# KiCad board pandore.kicad_pcb (continued)
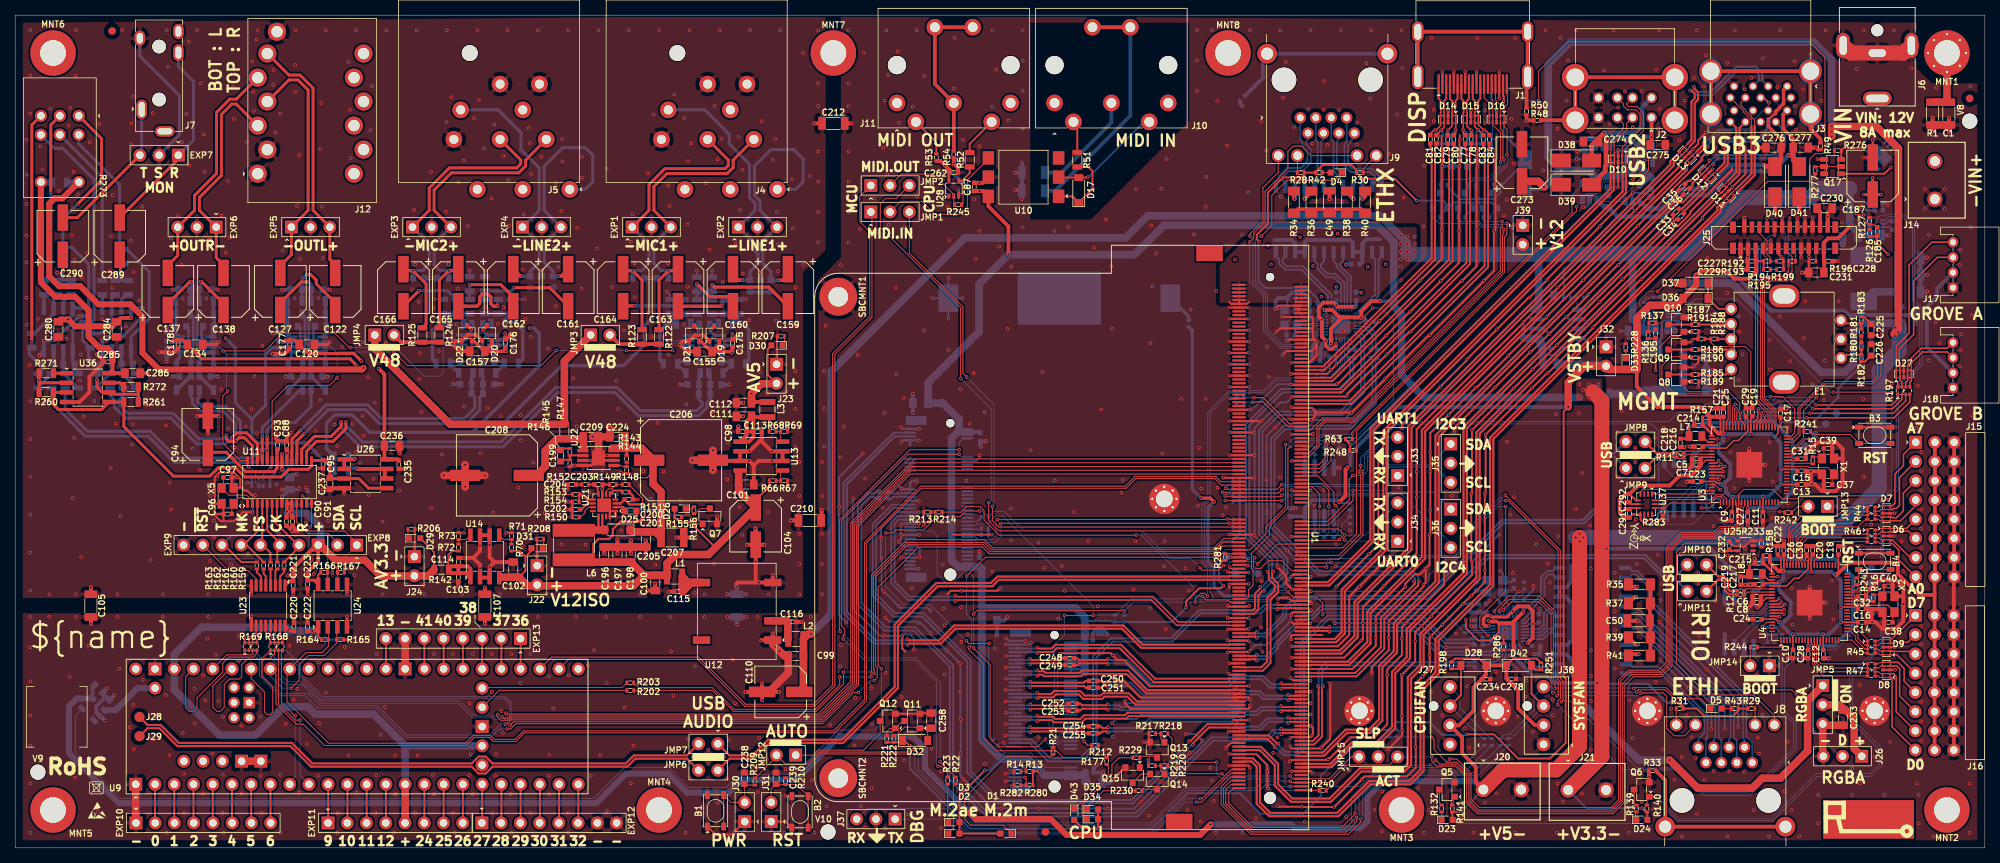
[diagram p0: board, top side]
## Library data of the parts (continued)
C123 C124 C131 C132 C281 C282 C287 C288 = -: Datasheet: https://www.passivecomponent.com/wp-content/uploads/datasheet/WTC_MLCC_General_Purpose.pdf; Description: Non polarized capacitor; Capacitance: 300pF; Voltage: 16V; Dielectric: C0G; MPN: 0603N301J500CT; MFG: Walsin Technology Corporation; ki_fp_filters: reekilib_cap:CAPC*
C125 C126 C135 C136 = -: Datasheet: https://mm.digikey.com/Volume0/opasdata/d220001/medias/docus/41/CL10B333KB8WPNC_Spec.pdf; Description: Non polarized capacitor; Capacitance: 33nF; Voltage: 16V; Dielectric: X7R; MPN: CL10B333KB8WPNC; MFG: Samsung Electro-Mechanics; ki_fp_filters: reekilib_cap:CAPC*
C139 C144-C147 C151 C152 C158 C167-C174 = -: Datasheet: https://mm.digikey.com/Volume0/opasdata/d220001/medias/docus/609/CL10C101JB8NNNC_Spec.pdf; Description: Non polarized capacitor; Capacitance: 100pF; Voltage: 50V; Dielectric: C0G; MPN: CL10C101JB8NNNC; MFG: Samsung Electro-Mechanics; ki_fp_filters: reekilib_cap:CAPC*
C153 C154 = -: Datasheet: https://search.murata.co.jp/Ceramy/image/img/A01X/G101/ENG/GCM1885C1H272JA16-01.pdf; Description: Non polarized capacitor; Capacitance: 2.7nF; Voltage: 16V; Dielectric: C0G; MPN: GCM1885C1H272JA16D; MFG: Murata; ki_fp_filters: reekilib_cap:CAPC*
C163-C166 = -: Datasheet: https://datasheets.kyocera-avx.com/kyocera-avx-apd-series.pdf; Description: Polarized capacitor; Capacitance: 33µF; Voltage: 63V; Tolerance: 20%; Temperature: 105°C; MPN: APD0609330M063R; MFG: KYOCERA AVX; ki_fp_filters: reekilib_cap:CAPAE* reekilib_cap:CAPPR*
C180-C182 C192-C194 = -: Datasheet: https://mm.digikey.com/Volume0/opasdata/d220001/medias/docus/506/TMK316BBJ226ML-T_SS.pdf; Description: Non polarized capacitor; Capacitance: 22µF; Voltage: 25V; Dielectric: X5R; MPN: TMK316BBJ226ML-T; MFG: Taiyo Yuden; ki_fp_filters: reekilib_cap:CAPC*
C183 C190 = -: Datasheet: https://yageogroup.com/content/datasheet/asset/file/UPY-GPHC_X7R_6_3V-TO-250V; Description: Non polarized capacitor; Capacitance: 1nF; Voltage: 16V; Dielectric: X7R; MPN: CC0402KRX7R9BB102; MFG: Yageo; Link: https://yageogroup.com/products/Capacitors/part/CC0402KRX7R9BB102; ki_fp_filters: reekilib_cap:CAPC*
C184 C191 = -: Datasheet: https://yageogroup.com/content/datasheet/asset/file/UPY-GP_NP0_16V-to-250V; Description: Non polarized capacitor; Capacitance: 68pF; Voltage: 10V; Dielectric: X7R; MPN: CC0402JRNPO9BN680; MFG: Yageo; Link: https://yageogroup.com/products/Capacitors/part/CC0402JRNPO9BN680; ki_fp_filters: reekilib_cap:CAPC*
C185 C195 = -: Datasheet: https://yageogroup.com/content/datasheet/asset/file/UPY-GP_NP0_16V-to-250V; Description: Non polarized capacitor; Capacitance: 47pF; Voltage: 10V; Dielectric: X7R; MPN: CC0402JRNPO9BN470; MFG: Yageo; Link: https://yageogroup.com/products/Capacitors/part/CC0402JRNPO9BN470; ki_fp_filters: reekilib_cap:CAPC*
C199 C225 C226 = -: Datasheet: https://search.murata.co.jp/Ceramy/image/img/A01X/G101/ENG/GCM188R72A103KA37-01.pdf; Description: Non polarized capacitor; Capacitance: 10nF; Voltage: 100V; Dielectric: X7R; MPN: GCM188R72A103KA37D; MFG: Murata; ki_fp_filters: reekilib_cap:CAPC*
C201 C237-C239 C263-C272 = -: Datasheet: https://yageogroup.com/content/datasheet/asset/file/KEM_C1002_X7R_SMD; Description: Non polarized capacitor; Capacitance: 1µF; Voltage: 16V; Dielectric: X7R; MPN: C0603C105K4RACTU; MFG: KEMET; ki_fp_filters: reekilib_cap:CAPC*
C202 = -: Datasheet: https://search.murata.co.jp/Ceramy/image/img/A01X/G101/ENG/GCM155R71E123KA55-01A.pdf; Description: Non polarized capacitor; Capacitance: 12nF; Voltage: 16V; Dielectric: X7R; MPN: GCM155R71E123KA55J; MFG: Murata; ki_fp_filters: reekilib_cap:CAPC*
C203 = -: Datasheet: https://yageogroup.com/content/datasheet/asset/file/UPY-GP_NP0_16V-to-250V; Description: Non polarized capacitor; Link: https://yageogroup.com/products/Capacitors/part/CC0402BRNPO9BN1R0; Capacitance: 1pF; Voltage: 16V; Dielectric: X7R; MPN: CC0402BRNPO9BN1R0; MFG: Yageo; ki_fp_filters: reekilib_cap:CAPC*
C204 = -: Datasheet: https://yageogroup.com/content/datasheet/asset/file/UPY-GPHC_X7R_6_3V-TO-250V; Description: Non polarized capacitor; Link: https://yageogroup.com/products/Capacitors/part/CC0402KRX7R9BB102; Capacitance: 1nF; Voltage: 16V; Dielectric: X7R; MPN: CC0402KRX7R9BB102; MFG: Yageo; ki_fp_filters: reekilib_cap:CAPC*
C205 C209 C224 = -: Datasheet: https://mm.digikey.com/Volume0/opasdata/d220001/medias/docus/893/CL21B104KCFNNNE_Spec.pdf; Description: Non polarized capacitor; Capacitance: 100nF; Voltage: 100V; Dielectric: X7R; MPN: CL21B104KCFNNNE; MFG: Samsung Electro-Mechanics; ki_fp_filters: reekilib_cap:CAPC*
C206 C208 = -: Datasheet: https://yageogroup.com/content/datasheet/asset/file/KEM_A4088_A768; Description: Polarized capacitor; Capacitance: 56µF; Voltage: 100V; Tolerance: 20%; Temperature: 105°C; MPN: A768MS566M1KLAE034; MFG: KEMET; ki_fp_filters: reekilib_cap:CAPAE* reekilib_cap:CAPPR*
C207 = -: Datasheet: https://search.murata.co.jp/Ceramy/image/img/A01X/G101/ENG/GRM32EC72A106ME05-01A.pdf; Description: Non polarized capacitor; Capacitance: 10µF; Voltage: 100V; Dielectric: X5R; MPN: GRM32EC72A106ME05K; MFG: Murata; ki_fp_filters: reekilib_cap:CAPC*
D1 D2 D34 = -: Datasheet: https://look.ams-osram.com/m/39e6c0644809f9ef/original/KB-EELP41-12.pdf; Description: LED discrete single; MPN: KB EELP41.12-P1R2-36-3X4X; MFG: AMS-OSRAM; Link: https://ams-osram.com/products/leds/color-leds/osram-smartled-0603-kb-eelp41-12; Vf: 2.75V; Imax: 25mA; Vr: 1.2V; λdom: 470nm; lum: 112mcd@5mA; viewangle: 130°; ki_fp_filters: reekilib_led:LEDM*
D3-D5 D35 = -: Datasheet: https://look.ams-osram.com/m/4cbb1524123e38e9/original/KT-EELP41-12.pdf; Description: LED discrete single; MPN: KT EELP41.12-S2U1-25-2X4Y; MFG: AMS-OSRAM; Link: https://ams-osram.com/products/leds/color-leds/osram-smartled-0603-kt-eelp41-12; Vf: 2.5V; Imax: 30mA; Vr: 1.2V; λdom: 527nm; lum: 224mcd@5mA; viewangle: 130°; ki_fp_filters: reekilib_led:LEDM*
D6-D16 D27 = -: Datasheet: https://www.ti.com/lit/gpn/esd204; MPN: ESD204DQAR; MFG: TI; Link: https://www.ti.com/product/ESD204; Vrwm: 3.6V; Vclamp: 8.2V; ki_fp_filters: reekilib_dfn:DFN50P100X250X55-10_ESD204
D17 D28 D32 D36 D37 D42 = -: Datasheet: https://www.panjit.com.tw/upload/datasheet/BAV21W-AU.pdf; Description: single rectifier diode; Vr: 75V; Io: 150mA; Vf: 1V@100mA; MPN: BAV21W-AU_R1_000A1; MFG: Panjit International Inc.; Link: https://www.panjit.com.tw/en/Search/search/BAV21W-AU; MPN2: 1N4148WGW; MFG2: Diotec Semiconductor; Link2: https://diotec.com/en/product/1N4148WGW.html; MPN3: BAV21W_R1_00001; MFG3: Panjit International Inc.; Link3: https://www.panjit.com.tw/en/Product/Diode_Rectifiers/Small_Signal_Switching_Diodes/BAV21W; MPN4: BAV20W_R1_00001; MFG4: Panjit International Inc.; Link4: https://www.panjit.com.tw/en/Search/search/BAV20W; ki_fp_filters: reekilib_sod:sod* reekilib_dio:dio*
D18 = -: Datasheet: https://www.mccsemi.com/pdf/products/SK32A-L-SK310A-L(SMA).pdf; Description: diode rectifier schottky; Vr: 40V; Io: 3A; Vf: 500mV@3A; MPN: SK34A-LTP; MFG: MCC (Micro Commercial Components); Link: https://www.mccsemi.com/products/diodes/schottky-barrier-rectifiers/SK34A-L; MPN2: B340A-13-F; MFG2: Diodes Incorporated; Link2: https://www.diodes.com/part/view/B340A; MPN3: CDBA340-G; MFG3: Comchip Technology; Link3: https://www.comchiptech.com/en/product/Schottky/ACDBA340-HF; MPN4: SL56AFL-TP; MFG4: MCC (Micro Commercial Components); Link4: https://www.mccsemi.com/products/diodes/schottky-barrier-rectifiers/SL56AFL; ki_fp_filters: reekilib_dio:dio* reekilib_sod:sod*
D19-D22 = -: Datasheet: https://assets.nexperia.com/documents/data-sheet/BAV199.pdf; Description: dual diode rectifier serie; Vr: 75V; Io: 140mA; Vf: 1.25V@150mA; MPN: BAV199,215; MFG: Nexperia; Link: https://www.nexperia.com/products/diodes/switching-diodes/low-leakage-current-switching-diodes/BAV199.html
D23 D24 D26 D29 D31 D33 = -: Datasheet: https://look.ams-osram.com/m/6069422f8e1c569f/original/KO-EELP41-22.pdf; Description: LED discrete single; MPN: KO EELP41.22-Q1S2-25-A8J8; MFG: AMS-OSRAM; Link: https://ams-osram.com/products/leds/color-leds/osram-smartled-0603-ko-eelp41-22; Vf: 2.0V; Imax: 30mA; Vr: 10V; λdom: 610nm; lum: 392mcd@5mA; viewangle: 130°; ki_fp_filters: reekilib_led:LEDM*
D25 = -: Datasheet: https://www.diodes.com/assets/Datasheets/BAT46W.pdf; Description: diode rectifier schottky; Vr: 100V; Io: 150mA; Vf: 450mV@10mA; MPN: BAT46W-7-F; MFG: Diodes Incorporated; Link: https://www.diodes.com/part/view/BAT46W; ki_fp_filters: reekilib_dio:dio* reekilib_sod:sod*
D30 = -: Datasheet: https://look.ams-osram.com/m/6069422f8e1c569f/original/KO-EELP41-22.pdf; Description: LED discrete single; MPN: KO EELP41.22-Q1S2-25-A8J8; MFG: AMS-OSRAM; Link: https://ams-osram.com/products/leds/color-leds/osram-smartled-0603-ko-eelp41-22; Vf: 2.0V; Imax: 30mA; Vr: 10V; λdom: 610nm; lum: 90mcd@20mA; viewangle: 130°; ki_fp_filters: reekilib_led:LEDM*
D38-D41 = -: Datasheet: https://www.smc-diodes.com/propdf/SMAJ%20SERIES%20N0223%20REV.B.pdf; MPN: SMAJ6.0CA; MFG: SMC Diode Solutions; Link: https://www.smc-diodes.com/Products/Discrete/Transient-Voltage-Suppressors/SMAJ6.0CA.html; ki_fp_filters: reekilib_sod:SOD-923
D43 = -: Datasheet: https://look.ams-osram.com/m/d52ca9fd43e8197/original/KS-EELP41-22.pdf; Description: LED discrete single; MPN: KS EELP41.22-P1R2-58-A8J8; MFG: AMS-OSRAM; Link: https://ams-osram.com/products/leds/color-leds/osram-smartled-0603-ks-eelp41-22; Vf: 1.95V; Imax: 30mA; Vr: 10V; λdom: 640nm; lum: 180mcd@20mA; viewangle: 130°; ki_fp_filters: reekilib_led:LEDM*
E1 = -: Datasheet: https://www.bourns.com/docs/Product-Datasheets/PEL12T.pdf; Description: Rotary encoder with integrated switch; MPN: PEL12T-4225T-S1024; MFG: Bourns Inc.; Link: https://www.bourns.com/products/proaudio/products; ki_fp_filters: reekilib_enc:bourns_PEL12T-4xxxx-S
EXP1-EXP7 J26 J33-J37 JMP1 JMP2 JMP5 JMP15 = -: Datasheet: https://app.adam-tech.com/products/download/data_sheet/201605/ph1-xx-ua-data-sheet.pdf; Description: header 1row 3pin; MPN: PH1-03-UA; MFG: Adam Tech
EXP8 J22-J24 J30-J32 J39 JMP3 JMP4 JMP6-JMP14 = -: Datasheet: https://app.adam-tech.com/products/download/data_sheet/201605/ph1-xx-ua-data-sheet.pdf; Description: header 1row 2pin; MPN: PH1-02-UA; MFG: Adam Tech
EXP9-EXP13 = -: Datasheet: https://www.waldom.com/productfiles/mf-FCI/10129378-908002BLF.pdf; Description: header 1row 8pin; MPN: 10129378-908002BLF; MFG: Amphenol ICC (FCI)
J1 = -: Datasheet: https://www.te.com/usa-en/product-1747981-1.datasheet.pdf; Description: HDMI receptacle; Vmax: -; Imax: 0.5A; MPN: 1747981-1; MFG: TE connectivity; Link: https://www.te.com/usa-en/product-1747981-1.html; ki_fp_filters: reekilib_con:TE_1747981-1
J2 = -: Datasheet: https://www.we-online.com/components/products/datasheet/61400826021.pdf; Description: usb2 type a connector; Vmax: 30V; Imax: 1.5A; MPN: 61400826021; MFG: Würth Elektronik; Link: https://www.we-online.com/en/components/products/INPUT_OUTPUT_WR_USB_STANDARD#61400826021; MPN2: AU-Y1008-2; MFG2: Assmann WSW Components; Link2: https://www.assmann-wsw.com/us/product/au-y1008-2/; MPN3: SS-52100-003; MFG3: Stewart Connector; Link3: https://www.cinch.com/products/ethernet-usb/connectors/usb-connectors/ss-52100-003; ki_fp_filters: reekilib_con:USB2_A_RCPT_HORZ_2STACKED
J3 = -: Datasheet: http://www.cnctech.us/pdfs/1003-004-01010_.pdf; Description: dual usb3 type a connector; MPN: 1003-004-01010; MFG: CNC tech; Link: https://www.cnctech.us/productdetails.asp?ID=1709; Vmax: 30V; Imax: 1.5A
J4 J5 = -: Datasheet: file:///home/laurencedv/Downloads/ncj9fi-h-0-4-1.pdf; Description: XLR TRS6.35mm combo receptacle with 3 switches; Vmax: 50V; Imax: 7A; MPN: NCJ9FI-H-0; MFG: Neutrik; Link: https://www.neutrik.com/en/product/ncj9fi-h-0; ki_fp_filters: reekilib_con:neutrik_ncj9fi-h-0
J6 = -: Datasheet: https://www.sameskydevices.com/product/resource/pj-063bh.pdf; Description: Barrel connector; Vmax: 24V; Imax: 8A; MPN: PJ-063BH; MFG: Same sky; Link: https://www.sameskydevices.com/product/interconnect/connectors/dc-power-connectors/jacks/pj-063bh; ki_fp_filters: reekilib_con:samesky_PJ-063BH
J7 = -: Datasheet: https://www.sameskydevices.com/product/resource/sj3-3508x.pdf; Description: TRS receptacle with tipsw; Vmax: 12V; Imax: 1A; MPN: SJ3-35083B-TR; MFG: Same sky; Link: https://www.sameskydevices.com/product/interconnect/connectors/audio-connectors/jacks/sj3-35083b-tr#technical; ki_fp_filters: reekilib_con:samesky_SJ3-3508x
J8 J9 = -: Datasheet: https://cdn.amphenol-cs.com/media/wysiwyg/files/drawing/rje581885xx1.pdf; Description: 8P8C Ethernet connector, 2LED with shield; Vmax: 125V; Imax: 1.25A; MPN: RJE581885411; MFG: Amphenol ICC (Commercial Products); Link: https://www.amphenol-cs.com/product/rje581885411.html; ki_fp_filters: reekilib_con:amphenol_RJE58-188-54x1-0x reekilib_con:amphenol_RJHSE538x
J10 J11 = -: Datasheet: https://www.sameskydevices.com/product/resource/sds-j.pdf; Description: MIDI output connector; Vmax: 24V; Imax: 1A; MPN: SDS-50J; MFG: Same Sky; Link: https://www.sameskydevices.com/product/interconnect/connectors/din-connectors/sds-50j; ki_fp_filters: reekilib_con:samesky_SDS-50J
J12 = -: Datasheet: https://www.neutrik.us/media/8595/download/st-nsj12hf-1.PDF?v=2; Description: TRS dual stacked receptacle with 3 NC switches; Vmax: 50V; Imax: 0.5A; MPN: NSJ12HF-1; MFG: Neutrik; Link: https://www.neutrik.us/en-us/product/nsj12hf-1; ki_fp_filters: reekilib_con:neutrik_nsj12hf-1
J13 = -: Datasheet: https://cdn.amphenol-cs.com/media/wysiwyg/files/drawing/10131758.pdf; Description: NGFF M.2 key M card-edge connector; MPN: 10131758-005RLF; MFG: Amphenol; Link: https://www.amphenol-cs.com/product/10131758005rlf.html; ki_fp_filters: reekilib_con:NGFF_M.2_CONN reekilib_con:NGFF_M.2_22xx_ALLKEY reekilib_con:NGFF_M.2_22xx_*M*
J14 J20 J21 = -: Datasheet: https://www.we-online.com/components/products/datasheet/691137710002.pdf; Description: header 1row 2pin; MPN: 691137710002; MFG: Wurth; Link: https://www.we-online.com/en/components/products/TBL_5_00_1377_HORIZONTAL_ENTRY_W_PRESSURE_CLAMP_GLOW_WIRE_6911377100XX
J15 J16 = -: Datasheet: https://suddendocs.samtec.com/prints/mtsw-xxx-xx-x-x-xxxx-xx-xxx-mkt.pdf; Description: header 3row 8pin; Vmax: vmax; Imax: imax; MPN: MTSW-108-22-L-T-330-RA; MFG: Samtec; Link: https://www.samtec.com/products/mtsw-108-22-l-t-330-ra
J17 J18 = -: Datasheet: https://www.te.com/commerce/DocumentDelivery/DDEController?Action=srchrtrv&DocNm=2041145&DocType=Customer%20Drawing&DocLang=English&DocFormat=pdf&PartCntxt=2041145-4; Description: Grove PCB horz TH connector, 2mm pitch with latch; MPN: 2041145-4; MFG: TE; Link: https://www.te.com/en/product-2041145-4.html; ki_fp_filters: reekilib_con:te_2041145-4
J19 = -: Datasheet: -; Description: NGFF M.2 key A+E card-edge connector; MPN: -; MFG: -; Link: -; ki_fp_filters: reekilib_con:NGFF_M.2_22xx_ALLKEY reekilib_con:NGFF_M.2_22xx_AE reekilib_con:NGFF_M.2_CONN
J25 = -: Datasheet: https://gct.co/files/drawings/ffc2a32.pdf; Description: header 1row 24pin; MPN: FFC2A32-24-T; MFG: GCT; Link: https://gct.co/connector/ffc2a32
J27 J38 = -: Datasheet: https://www.molex.com/content/dam/molex/molex-dot-com/products/automated/en-us/3dcadmodelspdf/470/47053/470531000.pdf; Description: header 1row 4pin; MPN: 0470531000; MFG: Molex; Link: url-link
J28 J29 = -: Datasheet: https://www.sameskydevices.com/product/resource/cpg-23-smt-tr.pdf; Description: pogo 2.7mm 1A; MPN: CPG-23-SMT-TR; MFG: Same Sky (Formerly CUI Devices); Link: https://www.sameskydevices.com/product/interconnect/connectors/pogo-pins/cpg-23-smt-tr
L1-L3 = -: Datasheet: https://www.bourns.com/docs/Product-Datasheets/CVH.pdf; Description: Inductor; MPN: CVH252009-2R2M; MFG: Bourns; Link: https://www.bourns.com/docs/product-datasheets/cvh252009.pdf; ki_fp_filters: reekilib_ind:INDC* reekilib_ind:INDP* reekilib_ind:*
L4 L5 = -: Datasheet: https://www.eaton.com/content/dam/eaton/products/electronic-components/resources/data-sheet/eaton-hpal1v0630-high-current-inductor-data-sheet-11080-en.pdf; Description: Inductor; MPN: HPAL1V0630-8R2-R; MFG: Eaton - Electronics Division; Link: https://www.eaton.com/content/dam/eaton/products/electronic-components/resources/data-sheet/eaton-hpal1v0630-high-current-inductor-data-sheet-11080-en.pdf; ki_fp_filters: reekilib_ind:INDC* reekilib_ind:INDP* reekilib_ind:*
L6 = -: Datasheet: https://www.cyntec.com/upfile/products/download/SDEI054T-000%20(A6).pdf; Description: Inductor; MPN: SDEI054T-330MS; MFG: Delta Electronics/Cyntec; ki_fp_filters: reekilib_ind:INDC* reekilib_ind:INDP* reekilib_ind:*
L7 L8 = -: Datasheet: https://www.te.com/commerce/DocumentDelivery/DDEController?Action=srchrtrv&DocNm=1773151-4&DocType=Data%20Sheet&DocLang=English&DocFormat=pdf&PartCntxt=7-2176797-0; Description: Inductor; MPN: 7-2176797-0; MFG: TE Connectivity Passive Product; ki_fp_filters: reekilib_ind:INDC* reekilib_ind:INDP* reekilib_ind:*
M2AE30 M2M42 M2M60 M2M80 M2M110 = -: Datasheet: url-ds; Description: header 1row 1pin; MPN: MPN; MFG: MFG; Link: url-link
MNT1 = -: Datasheet: https://www.mcmaster.com/mvD/Library/M4/20240725/F72DDE8E/92832A214_Zinc-Plated%20Steel%20Button%20Head%20Torx%20Screws.PDF; Description: mount connected to chassis; Link: https://www.mcmaster.com/92832A214/?SrchEntryWebPart_InpBox=92832A214; MPN: 92832A214; MFG: Mcmaster-carr
MNT2-MNT8 = -: Datasheet: https://www.mcmaster.com/mvD/Library/M4/20240725/F72DDE8E/92832A214_Zinc-Plated%20Steel%20Button%20Head%20Torx%20Screws.PDF; Description: Mounting point M3; Link: https://www.mcmaster.com/92832A214/?SrchEntryWebPart_InpBox=92832A214; MPN: 92832A214; MFG: Mcmaster-carr
PTC1 PTC2 = -: Datasheet: https://belfuse.com/media/datasheets/products/circuit-protection/ds-cp-0zcm-series.pdf; MPN: 0ZCM0010FF2G; DNP: 0; MFG: Bel Fuse Inc.
Q1-Q15 = -: Datasheet: https://assets.nexperia.com/documents/data-sheet/BSS138P.pdf; Description: mosfet enhancement n-ch standard pinout; MPN: BSS138P,215; MFG: Nexperia; Link: https://www.nexperia.com/product/BSS138P; MPN2: BSS138BK,215; MFG2: Nexperia; MPN3: BSS138AKAR; MFG3: Nexperia; MPN4: BSS138W-7-F; MFG4: Diodes Incorporated; MPN5: BSS138BKAHZGT116; MFG5: Rohm Semiconductor; Sim.Name: BSS138P; Sim.Device: SUBCKT; Sim.Pins: 1=GATE 2=SOURCE 3=DRAIN; ki_fp_filters: reekilib_sot:SOT95P280X100-3 reekilib_sot:SOT65P210X90-3 reekilib_son:SON35P100X60X50-3 reekilib_son:SON35P60X60X40-3 reekilib_sot:SOT50P120X80-3
Q16 = -: Datasheet: https://www.gofordsemi.com/upload/cn/propdf/G700P06D3.pdf; Description: mosfet enhancement p-ch standard pinout; MPN: G700P06D3; MFG: Goford Semiconductor
Q17 = -: Datasheet: https://www.panjit.com.tw/upload/datasheet/MMDT3906.pdf; Description: bjt dual pnp generic standard pinout; MPN: MMDT3906_R1_00001; MFG: Panjit International Inc.; Link: https://www.panjit.com.tw/en/Search/search/MMDT3906; ki_fp_filters: reekilib_sot:SOT95P280X100-3 reekilib_sot:SOT50P160X80-3 reekilib_son:SON35P100X60X50-3 reekilib_son:SON35P60X60X40-3
R1 = -: Datasheet: https://fscdn.rohm.com/en/products/databook/datasheet/passive/resistor/chip_resistor/ktr-e.pdf; Description: Resistor single 2 pad; Link: https://www.rohm.com/products/resistors/high-reliability-resistors/high-voltage-resistance-chip-resistors/ktr18ezpj-product; Resistance: 1MΩ; Tolerance: 5%; Power: 250mW; MPN: KTR18EZPJ105; MFG: Rohm Semiconductor; Voltage: 500V
R2-R7 = -: Datasheet: https://yageogroup.com/component-documentation/download/specsheet/RC0402JR-070RL; Description: Resistor single 2 pad; Link: https://yageogroup.com/products/Resistors/part/RC0402JR-070RL; Resistance: 0Ω; Tolerance: 5%; Power: 63mW; MPN: RC0402JR-070RL; MFG: Yageo; MPN2: RMCF0402ZT0R00; MFG2: Stackpole; MPN3: CRCW04020000Z0ED; MFG3: Vishay Dale
R8-R10 R13 R17-R20 R63 R64 R66-R68 R70-R72 R106-R109 R143 R144 R180-R184 R189-R193 R215-R217 R219 R223-R225 R231-R233 R248 R280 R283 R286 = -: Datasheet: https://www.bourns.com/data/global/pdfs/CR.pdf; Description: Resistor single 2 pad; Link: https://www.bourns.com/search?indexCatalogue=psindex&searchQuery=CR0402-FX-1002GLF*; Resistance: 10kΩ; Tolerance: 1%; Power: 63mW; MPN: CR0402-FX-1002GLF; MFG: Bourns Inc; MPN2: WR04X1002FTL; MFG2: Walsin Technology Corporation; MPN3: RC0402FR-0710KL; MFG3: Yageo
R11 R12 = -: Datasheet: https://industrial.panasonic.com/cdbs/www-data/pdf/AOC0000/AOC0000C14.pdf; Description: Resistor double 4 pad; Resistance: 27Ω; Tolerance: 5%; Power: 63mW; MPN: EXB-24V270JX; MFG: Panasonic Electronic Components
R14 R21-R23 R42 R43 R65 R132 R139 R177 R207 R218 R220 R229 R230 R234 R235 R241-R244 R284 = -: Datasheet: https://yageogroup.com/content/datasheet/asset/file/PYU-RC_GROUP_51_ROHS_L; Description: Resistor single 2 pad; Link: https://yageogroup.com/products/Resistors/part/RC0402FR-131KL; Resistance: 1kΩ; Tolerance: 1%; Power: 63mW; MPN: RC0402FR-131KL; MFG: YAGEO
R15 R16 = -: Datasheet: https://yageogroup.com/content/datasheet/asset/file/PYU-RC_GROUP_51_ROHS_L; Description: Resistor single 2 pad; Resistance: 1kΩ; Tolerance: 1%; Power: 63mW; MPN: RC0402FR-131KL; MFG: YAGEO; Link: https://yageogroup.com/products/Resistors/part/RC0402FR-131KL
R24 R25 = -: Datasheet: https://yageogroup.com/content/datasheet/asset/file/PYU-RC_GROUP_51_ROHS_L; Description: Resistor single 2 pad; Resistance: 1MΩ; Tolerance: 1%; Power: 63mW; MPN: RC0402FR-071ML; MFG: YAGEO; Link: https://yageogroup.com/products/Resistors/part/RC0402FR-071ML
R26 R27 R208 = -: Datasheet: https://yageogroup.com/content/datasheet/asset/file/PYU-RC_GROUP_51_ROHS_L; Description: Resistor single 2 pad; Resistance: 2.49kΩ; Tolerance: 1%; Power: 63mW; MPN: RC0402FR-132K49L; MFG: YAGEO; Link: https://yageogroup.com/products/Resistors/part/RC0402FR-132K49L
R28-R31 = -: Datasheet: https://yageogroup.com/content/datasheet/asset/file/PYU-RC_GROUP_51_ROHS_L; Description: Resistor single 2 pad; Resistance: 470Ω; Tolerance: 1%; Power: 63mW; MPN: RC0402FR-07470RL; MFG: YAGEO; Link: https://yageogroup.com/products/Resistors/part/RC0402FR-07470RL
R32 R33 R48-R50 R54 R194 R195 R199 R202 R203 R212-R214 R236-R239 R245 R278 R279 R282 = -: Datasheet: https://yageogroup.com/component-documentation/download/specsheet/RC0402JR-070RL; Description: Resistor single 2 pad; Resistance: 0Ω; Tolerance: 5%; Power: 63mW; MPN: RC0402JR-070RL; MFG: Yageo; Link: https://yageogroup.com/products/Resistors/part/RC0402JR-070RL; MPN2: RMCF0402ZT0R00; MFG2: Stackpole; MPN3: CRCW04020000Z0ED; MFG3: Vishay Dale
R34-R41 = -: Datasheet: https://www.vishay.com/docs/28713/melfprof.pdf; Description: Resistor single 2 pad; Resistance: 75Ω; Tolerance: 1%; Power: 250mW; MPN: MMA02040C7509FB300; MFG: Vishay; Link: https://www.vishay.com/en/product/28713/
R44-R47 R55 R56 R197 = -: Datasheet: https://industrial.panasonic.com/cdbs/www-data/pdf/AOC0000/AOC0000C14.pdf; Description: Resistor quad 8 pad; Resistance: 560Ω; Tolerance: 5%; Power: 63mW; MPN: EXB-28V561JX; MFG: Panasonic Electronic Components
R51 = -: Datasheet: https://www.susumu.co.jp/common/pdf/n_catalog_partition05_en.pdf; Description: Resistor single 2 pad; Resistance: 220Ω; Tolerance: 1%; Power: 250mW; MPN: RR1220P-221-D; MFG: Susumu
R52 = -: Datasheet: https://www.seielect.com/catalog/SEI-RNCF.pdf; Description: Resistor single 2 pad; Resistance: 10Ω; Tolerance: 1%; Power: 250mW; MPN: RNCF0805DTE10R0; MFG: Stackpole Electronics Inc; Type: thin film
R53 R157 R158 = -: Datasheet: https://yageogroup.com/content/datasheet/asset/file/PYU-RC_GROUP_51_ROHS_L; Description: Resistor single 2 pad; Resistance: 33Ω; Tolerance: 1%; Power: 63mW; MPN: RC0402FR-0733RL; MFG: YAGEO; Link: https://yageogroup.com/products/Resistors/part/RC0402FR-0730KL
R57-R62 R176 = -: Datasheet: https://yageogroup.com/content/datasheet/asset/file/PYU-RC_GROUP_51_ROHS_L; Description: Resistor single 2 pad; Link: https://yageogroup.com/products/Resistors/part/RC0402FR-072K2L; Resistance: 2.2kΩ; Tolerance: 1%; Power: 63mW; MPN: RC0402FR-072K2L; MFG: YAGEO
R69 = -: Datasheet: https://yageogroup.com/content/datasheet/asset/file/PYU-RC_GROUP_51_ROHS_L; Description: Resistor single 2 pad; Link: https://yageogroup.com/products/Resistors/part/RC0402FR-073K09L; Resistance: 3.09kΩ; Tolerance: 1%; Power: 63mW; MPN: RC0402FR-073K09L; MFG: YAGEO
R73 R188 R226 = -: Datasheet: https://yageogroup.com/content/datasheet/asset/file/PYU-RC_GROUP_51_ROHS_L; Description: Resistor single 2 pad; Link: https://yageogroup.com/products/Resistors/part/RC0402FR-075K6L; Resistance: 5.6kΩ; Tolerance: 1%; Power: 63mW; MPN: RC0402FR-075K6L; MFG: YAGEO
R74-R79 R84-R87 R90 R91 R252 R253 R258 R259 R262-R264 R266 R267 R269 = -: Datasheet: https://yageogroup.com/content/datasheet/asset/file/PYU-RT_1-TO-0-01_ROHS_L; Description: Resistor single 2 pad - thin film; Resistance: 5.1kΩ; Tolerance: 0.5%; Power: 63mW; MPN: RT0805DRE075K1L; MFG: YAGEO; Link: https://yageogroup.com/products/Resistors/part/RT0805DRE075K1L; Type: thin film
R80 R81 R92 R93 = -: Datasheet: https://www.susumu.co.jp/common/pdf/n_catalog_partition05_en.pdf; Description: Resistor single 2 pad - thin film; Resistance: 100Ω; Tolerance: 1%; Power: 250mW; MPN: RR1220P-101-D; MFG: Susumu; Type: thin film
R82 R83 R88 R89 R204 R205 R265 R268 R271 R272 = -: Datasheet: https://www.seielect.com/catalog/SEI-RNCF.pdf; Description: Resistor single 2 pad - thin film; Resistance: 10Ω; Tolerance: 1%; Power: 250mW; MPN: RNCF0805DTE10R0; MFG: Stackpole Electronics Inc; Type: thin film
R94-R97 R100-R103 R118-R121 = -: Datasheet: https://yageogroup.com/content/datasheet/asset/file/PYU-RT_1-TO-0-01_ROHS_L; Description: Resistor single 2 pad - thin film; Resistance: 1kΩ; Tolerance: 0.5%; Power: 63mW; MPN: RT0805DRE075K1L; MFG: YAGEO; Link: https://yageogroup.com/products/Resistors/part/RT0805DRE075K1L; Type: thin film